# Altium PCB 便携T12烙铁2.PcbDoc (part 2 of 2)
Units mm, origin at the board's own origin, x right, y up, seen from the top; angles counter-clockwise.
Board outline 100 x 95 mm, 2 copper layers (Top Layer, Bottom Layer); 155 components, 22 nets, 605 pads, 185 vias.
Unrouted connection lines stored in the file: 84.
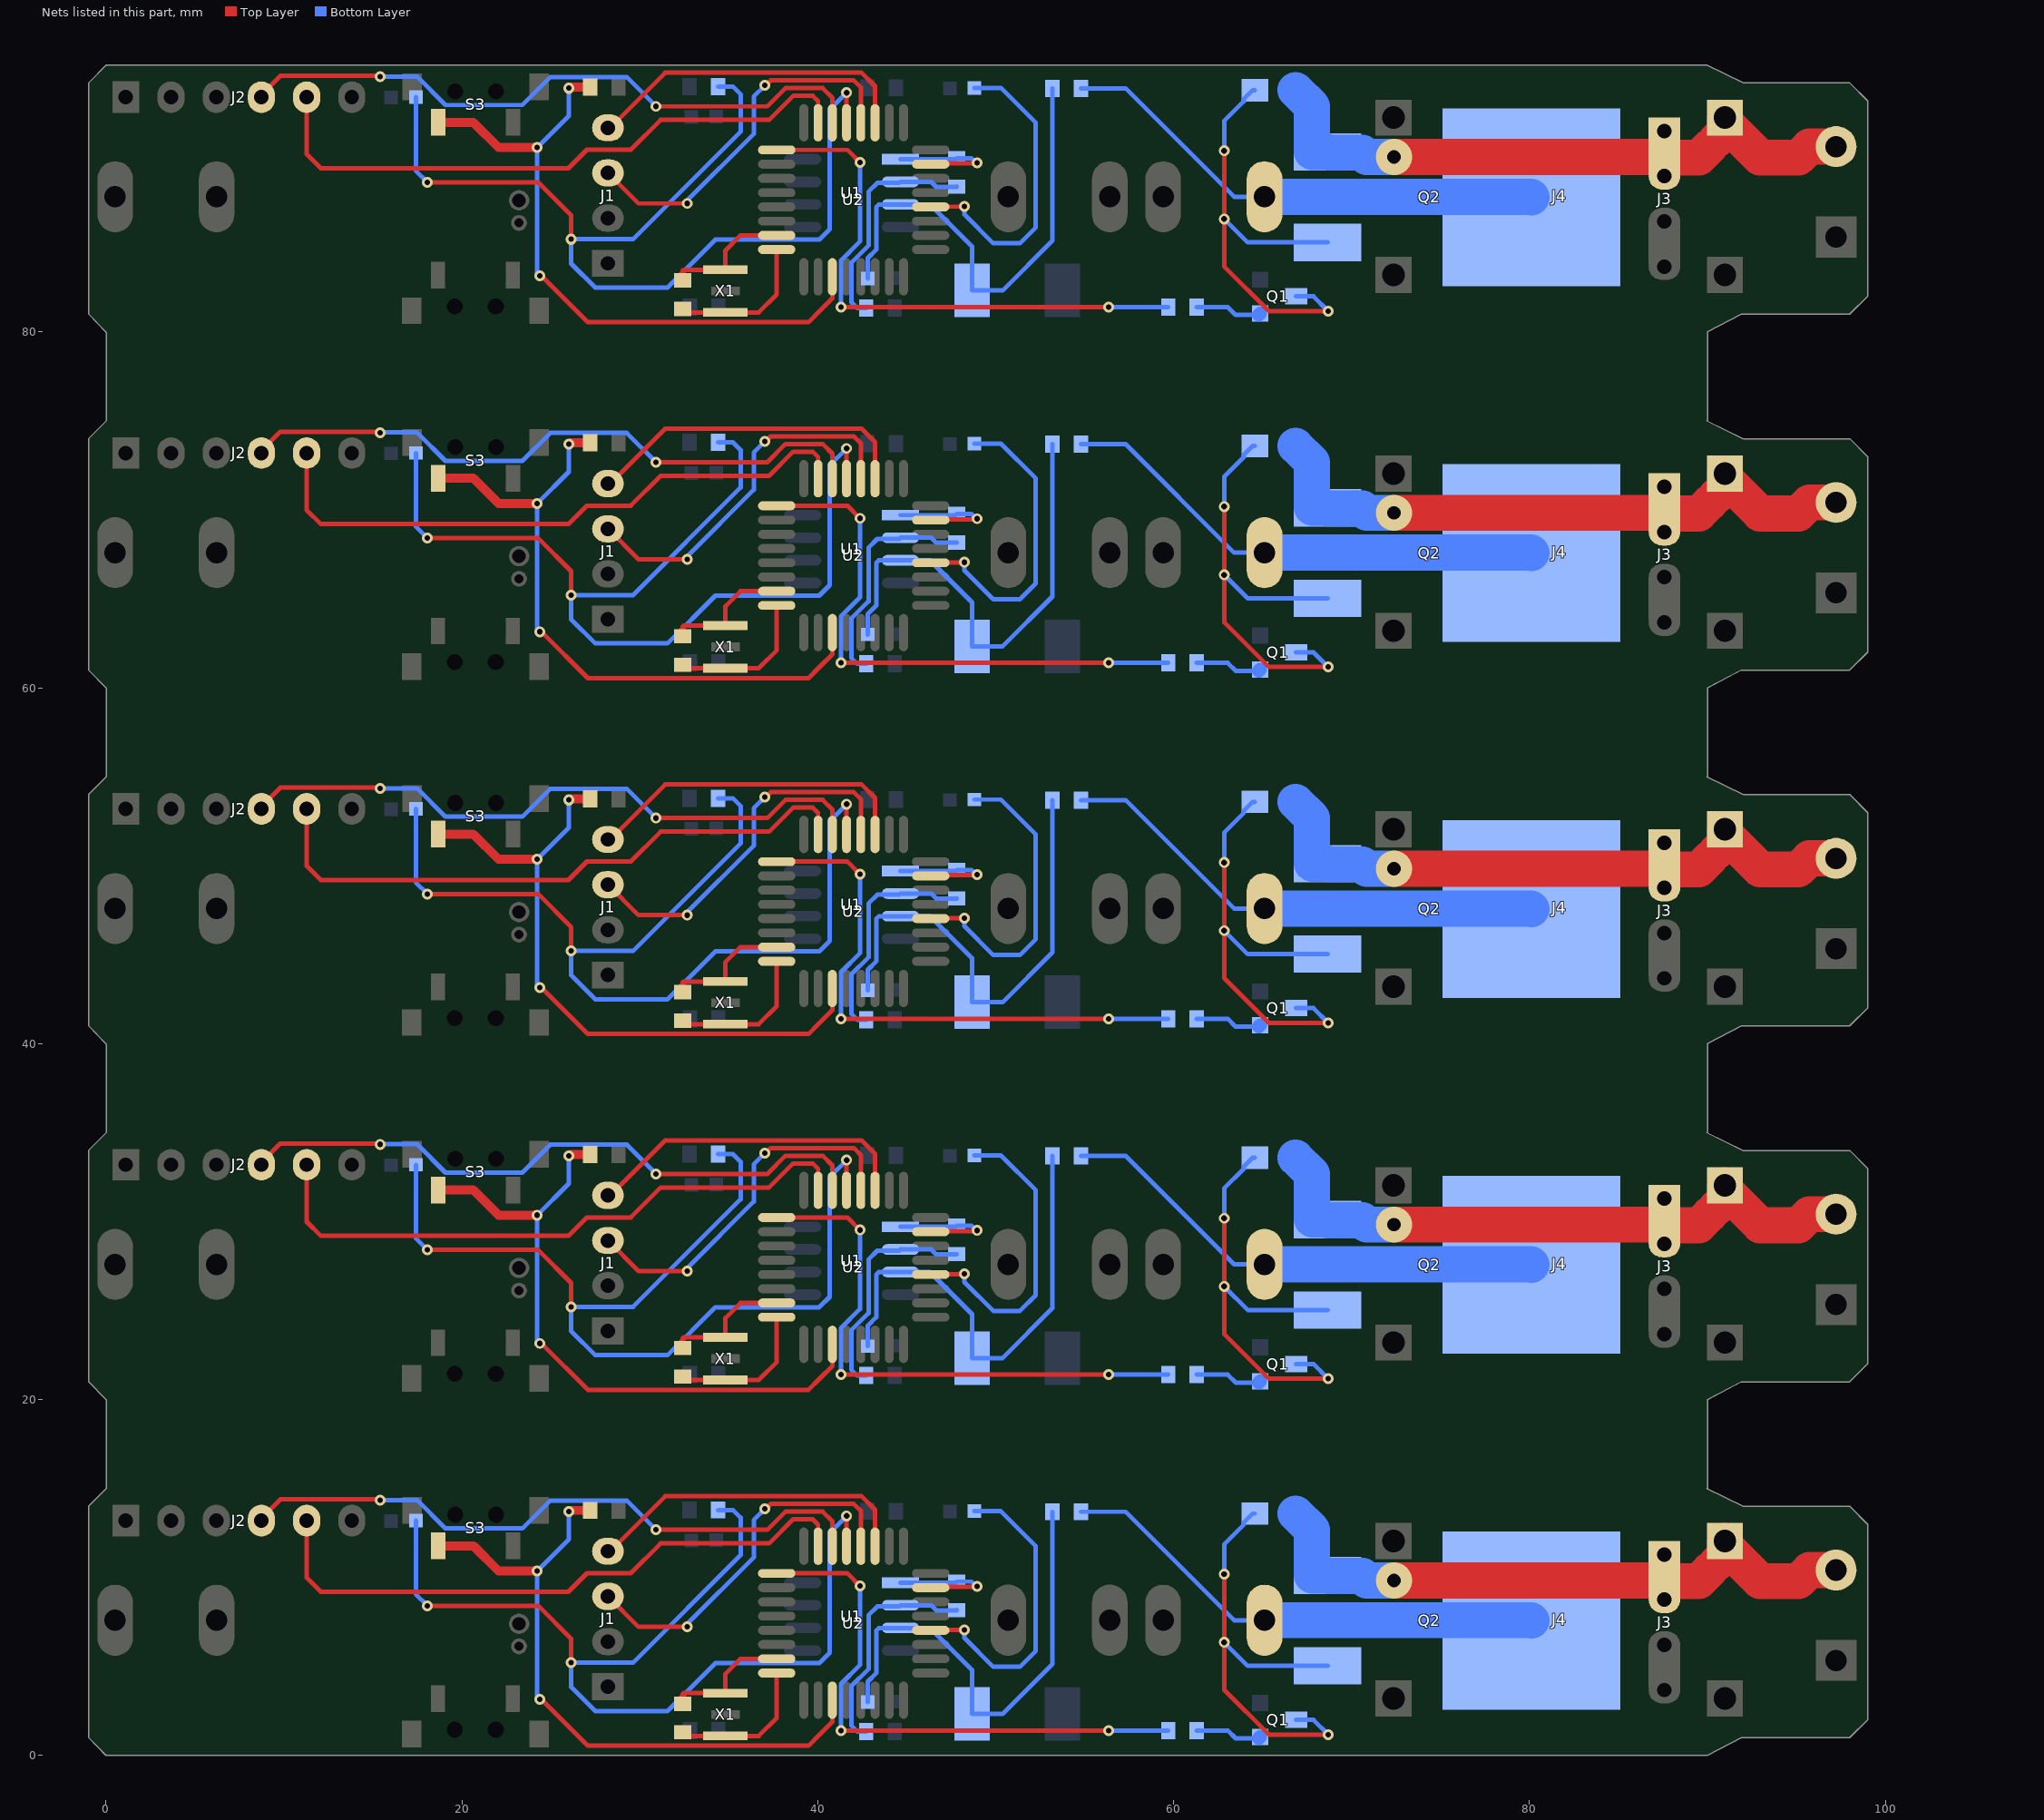
[diagram p2: the nets of this part, all layers, seen from the top]

## Via types
v1: diameter 0.61, hole 0.31, Top Layer to Bottom Layer, 120 vias
v2: diameter 0.62, hole 0.305, Top Layer to Bottom Layer, 30 vias
v3: diameter 0.61, hole 0.33, Top Layer to Bottom Layer, 20 vias
v4: diameter 0.61/0.61 (per signal layer), hole 0.33, Top Layer to Bottom Layer, 10 vias
v5: diameter 2.032/0.61 (per signal layer), hole 0.762, Top Layer to Bottom Layer, 5 vias

## Nets (pads, with @x,y where several pads share a name; then routed paths per layer and width w, separated by ;. In a path a pad name is that pad's centre, name@x,y a point inside that pad or via, vN(x,y) a via of type N, cw(c..) or ccw(c..) an arc to the next point about the centre after c; other vN are vias at no path point) (continued)
NetC3_1: C3.1 U2.20 | length 87.7
  Top Layer w0.254: U2.20@46.35,7.031 46.363,7.044 48.224,7.044 v1(48.238,7.058) ; U2.20@46.35,27.031 46.363,27.044 48.224,27.044 v1(48.238,27.058) ; U2.20@46.35,47.031 46.363,47.044 48.224,47.044 v1(48.238,47.058) ; U2.20@46.35,67.031 46.363,67.044 48.224,67.044 v1(48.238,67.058) ; U2.20@46.35,87.031 46.363,87.044 48.224,87.044 v1(48.238,87.058)
  Bottom Layer w0.254: v1(48.238,7.058) 48.246,7.05 48.246,6.604 49.867,4.982 51.365,4.982 52.254,5.871 52.254,11.764 50.296,13.722 C3.1@48.816,13.722 ; v1(48.238,27.058) 48.246,27.05 48.246,26.604 49.867,24.982 51.365,24.982 52.254,25.871 52.254,31.764 50.296,33.722 C3.1@48.816,33.722 ; v1(48.238,47.058) 48.246,47.05 48.246,46.604 49.867,44.982 51.365,44.982 52.254,45.871 52.254,51.764 50.296,53.722 C3.1@48.816,53.722 ; v1(48.238,67.058) 48.246,67.05 48.246,66.604 49.867,64.982 51.365,64.982 52.254,65.871 52.254,71.764 50.296,73.722 C3.1@48.816,73.722 ; v1(48.238,87.058) 48.246,87.05 48.246,86.604 49.867,84.982 51.365,84.982 52.254,85.871 52.254,91.764 50.296,93.722 C3.1@48.816,93.722
NetQ1_B: Q1.B R2.1 | length 18.9
  Bottom Layer w0.254: R2.1@61.297,1.401 63.049,1.401 63.493,0.958 Q1.B@64.785,0.958 ; R2.1@61.297,21.401 63.049,21.401 63.493,20.958 Q1.B@64.785,20.958 ; R2.1@61.297,41.401 63.049,41.401 63.493,40.958 Q1.B@64.785,40.958 ; R2.1@61.297,61.401 63.049,61.401 63.493,60.958 Q1.B@64.785,60.958 ; R2.1@61.297,81.401 63.049,81.401 63.493,80.958 Q1.B@64.785,80.958
  Bottom Layer w0.762: Q1.B@64.785,0.958 Q1.B@64.861,1.034 ; Q1.B@64.785,20.958 Q1.B@64.861,21.034 ; Q1.B@64.785,40.958 Q1.B@64.861,41.034 ; Q1.B@64.785,60.958 Q1.B@64.861,61.034 ; Q1.B@64.785,80.958 Q1.B@64.861,81.034
NetQ1_C: Q1.C Q2.G R3.1 | length 130.5
  Top Layer w0.254: v4(62.846,10.189) v4(62.846,6.354) 62.846,3.687 65.364,1.17 v1(68.696,1.17) ; v4(62.846,30.189) v4(62.846,26.354) 62.846,23.687 65.364,21.17 v1(68.696,21.17) ; v4(62.846,50.189) v4(62.846,46.354) 62.846,43.687 65.364,41.17 v1(68.696,41.17) ; v4(62.846,70.189) v4(62.846,66.354) 62.846,63.687 65.364,61.17 v1(68.696,61.17) ; v4(62.846,90.189) v4(62.846,86.354) 62.846,83.687 65.364,81.17 v1(68.696,81.17)
  Bottom Layer w0.254: v4(62.846,6.354) 64.167,5.033 Q2.G@68.663,5.033 ; v4(62.846,10.189) 62.846,11.866 63.938,12.958 63.938,13.085 64.446,13.593 R3.1@64.573,13.593 ; v4(62.846,26.354) 64.167,25.033 Q2.G@68.663,25.033 ; v4(62.846,30.189) 62.846,31.866 63.938,32.958 63.938,33.085 64.446,33.593 R3.1@64.573,33.593 ; v4(62.846,46.354) 64.167,45.033 Q2.G@68.663,45.033 ; v4(62.846,50.189) 62.846,51.866 63.938,52.958 63.938,53.085 64.446,53.593 R3.1@64.573,53.593 ; v4(62.846,66.354) 64.167,65.033 Q2.G@68.663,65.033 ; v4(62.846,70.189) 62.846,71.866 63.938,72.958 63.938,73.085 64.446,73.593 R3.1@64.573,73.593 ; v4(62.846,86.354) 64.167,85.033 Q2.G@68.663,85.033 ; v4(62.846,90.189) 62.846,91.866 63.938,92.958 63.938,93.085 64.446,93.593 R3.1@64.573,93.593 ; Q1.C@66.893,1.999 67.866,1.999 v1(68.696,1.17) ; Q1.C@66.893,21.999 67.866,21.999 v1(68.696,21.17) ; Q1.C@66.893,41.999 67.866,41.999 v1(68.696,41.17) ; Q1.C@66.893,61.999 67.866,61.999 v1(68.696,61.17) ; Q1.C@66.893,81.999 67.866,81.999 v1(68.696,81.17)
NetR10_1: R10.1 U2.8 X1.3 | length 41.5
  Top Layer w0.254: R10.1@32.415,1.298 32.614,1.1 X1.3@34.816,1.1 36.688,1.1 37.696,2.108 U2.8@37.696,4.631 ; R10.1@32.415,21.298 32.614,21.1 X1.3@34.816,21.1 36.688,21.1 37.696,22.108 U2.8@37.696,24.631 ; R10.1@32.415,41.298 32.614,41.1 X1.3@34.816,41.1 36.688,41.1 37.696,42.108 U2.8@37.696,44.631 ; R10.1@32.415,61.298 32.614,61.1 X1.3@34.816,61.1 36.688,61.1 37.696,62.108 U2.8@37.696,64.631 ; R10.1@32.415,81.298 32.614,81.1 X1.3@34.816,81.1 36.688,81.1 37.696,82.108 U2.8@37.696,84.631
NetR10_2: R10.2 U2.7 X1.1 | length 36.5
  Top Layer w0.254: R10.2@32.415,2.898 32.417,2.9 32.417,3.458 32.456,3.498 X1.1@34.816,3.498 34.816,4.587 35.659,5.431 U2.7@37.696,5.431 ; R10.2@32.415,22.898 32.417,22.9 32.417,23.458 32.456,23.498 X1.1@34.816,23.498 34.816,24.587 35.659,25.431 U2.7@37.696,25.431 ; R10.2@32.415,42.898 32.417,42.9 32.417,43.458 32.456,43.498 X1.1@34.816,43.498 34.816,44.587 35.659,45.431 U2.7@37.696,45.431 ; R10.2@32.415,62.898 32.417,62.9 32.417,63.458 32.456,63.498 X1.1@34.816,63.498 34.816,64.587 35.659,65.431 U2.7@37.696,65.431 ; R10.2@32.415,82.898 32.417,82.9 32.417,83.458 32.456,83.498 X1.1@34.816,83.498 34.816,84.587 35.659,85.431 U2.7@37.696,85.431
PWM_MOS: R2.2 U2.1 | length 159.6
  Top Layer w0.254: U2.1@37.696,10.231 41.672,10.231 v1(42.374,9.529) ; U2.1@37.696,30.231 41.672,30.231 v1(42.374,29.529) ; U2.1@37.696,50.231 41.672,50.231 v1(42.374,49.529) ; U2.1@37.696,70.231 41.672,70.231 v1(42.374,69.529) ; U2.1@37.696,90.231 41.672,90.231 v1(42.374,89.529) ; v1(41.307,1.401) v1(56.344,1.401) ; v1(41.307,21.401) v1(56.344,21.401) ; v1(41.307,41.401) v1(56.344,41.401) ; v1(41.307,61.401) v1(56.344,61.401) ; v1(41.307,81.401) v1(56.344,81.401)
  Bottom Layer w0.254: v1(41.307,1.401) 41.307,4.017 42.374,5.084 v1(42.374,9.529) ; v1(41.307,21.401) 41.307,24.017 42.374,25.084 v1(42.374,29.529) ; v1(41.307,41.401) 41.307,44.017 42.374,45.084 v1(42.374,49.529) ; v1(41.307,61.401) 41.307,64.017 42.374,65.084 v1(42.374,69.529) ; v1(41.307,81.401) 41.307,84.017 42.374,85.084 v1(42.374,89.529) ; v1(56.344,1.401) R2.2@59.697,1.401 ; v1(56.344,21.401) R2.2@59.697,21.401 ; v1(56.344,41.401) R2.2@59.697,41.401 ; v1(56.344,61.401) R2.2@59.697,61.401 ; v1(56.344,81.401) R2.2@59.697,81.401
R_but: R8.2 S3.2 U2.11 | length 190
  Top Layer w0.254: v1(24.391,3.154) 24.477,3.154 27.085,0.546 39.482,0.546 40.112,1.176 40.823,1.887 U2.11@40.823,3.104 ; v1(24.391,23.154) 24.477,23.154 27.085,20.546 39.482,20.546 40.112,21.176 40.823,21.887 U2.11@40.823,23.104 ; v1(24.391,43.154) 24.477,43.154 27.085,40.546 39.482,40.546 40.112,41.176 40.823,41.887 U2.11@40.823,43.104 ; v1(24.391,63.154) 24.477,63.154 27.085,60.546 39.482,60.546 40.112,61.176 40.823,61.887 U2.11@40.823,63.104 ; v1(24.391,83.154) 24.477,83.154 27.085,80.546 39.482,80.546 40.112,81.176 40.823,81.887 U2.11@40.823,83.104
  Top Layer w0.508: S3.2@18.674,11.779 20.643,11.779 22.054,10.367 v1(24.238,10.367) ; S3.2@18.674,31.779 20.643,31.779 22.054,30.367 v1(24.238,30.367) ; S3.2@18.674,51.779 20.643,51.779 22.054,50.367 v1(24.238,50.367) ; S3.2@18.674,71.779 20.643,71.779 22.054,70.367 v1(24.238,70.367) ; S3.2@18.674,91.779 20.643,91.779 22.054,90.367 v1(24.238,90.367) ; v2(26.016,13.699) 26.046,13.699 26.118,13.771 R8.2@27.21,13.771 ; v2(26.016,33.699) 26.046,33.699 26.118,33.771 R8.2@27.21,33.771 ; v2(26.016,53.699) 26.046,53.699 26.118,53.771 R8.2@27.21,53.771 ; v2(26.016,73.699) 26.046,73.699 26.118,73.771 R8.2@27.21,73.771 ; v2(26.016,93.699) 26.046,93.699 26.118,93.771 R8.2@27.21,93.771
  Bottom Layer w0.254: v1(24.391,3.154) 24.238,3.306 v1(24.238,10.367) 26.016,12.145 v2(26.016,13.699) ; v1(24.391,23.154) 24.238,23.306 v1(24.238,30.367) 26.016,32.145 v2(26.016,33.699) ; v1(24.391,43.154) 24.238,43.306 v1(24.238,50.367) 26.016,52.145 v2(26.016,53.699) ; v1(24.391,63.154) 24.238,63.306 v1(24.238,70.367) 26.016,72.145 v2(26.016,73.699) ; v1(24.391,83.154) 24.238,83.306 v1(24.238,90.367) 26.016,92.145 v2(26.016,93.699)
Reset: C2.2 R9.1 U2.29 | length 292.4
  Top Layer w0.254: v2(18.066,8.411) 24.289,8.411 26.143,6.557 v2(26.143,5.211) ; v2(18.066,28.411) 24.289,28.411 26.143,26.557 v2(26.143,25.211) ; v2(18.066,48.411) 24.289,48.411 26.143,46.557 v2(26.143,45.211) ; v2(18.066,68.411) 24.289,68.411 26.143,66.557 v2(26.143,65.211) ; v2(18.066,88.411) 24.289,88.411 26.143,86.557 v2(26.143,85.211) ; U2.29@41.576,11.805 U2.29@41.623,11.758 v3(41.623,13.455) ; U2.29@41.576,31.805 U2.29@41.623,31.758 v3(41.623,33.455) ; U2.29@41.576,51.805 U2.29@41.623,51.758 v3(41.623,53.455) ; U2.29@41.576,71.805 U2.29@41.623,71.758 v3(41.623,73.455) ; U2.29@41.576,91.805 U2.29@41.623,91.758 v3(41.623,93.455)
  Bottom Layer w0.254: C2.2@17.414,13.199 17.414,9.063 v2(18.066,8.411) ; C2.2@17.414,33.199 17.414,29.063 v2(18.066,28.411) ; C2.2@17.414,53.199 17.414,49.063 v2(18.066,48.411) ; C2.2@17.414,73.199 17.414,69.063 v2(18.066,68.411) ; C2.2@17.414,93.199 17.414,89.063 v2(18.066,88.411) ; R9.1@34.398,13.796 35.236,13.796 35.668,13.365 35.668,11.256 29.623,5.211 v2(26.143,5.211) 26.143,3.847 27.497,2.493 31.553,2.493 34.246,5.186 40.088,5.186 40.672,5.77 40.672,12.505 v3(41.623,13.455) ; R9.1@34.398,33.796 35.236,33.796 35.668,33.365 35.668,31.256 29.623,25.211 v2(26.143,25.211) 26.143,23.847 27.497,22.493 31.553,22.493 34.246,25.186 40.088,25.186 40.672,25.77 40.672,32.505 v3(41.623,33.455) ; R9.1@34.398,53.796 35.236,53.796 35.668,53.365 35.668,51.256 29.623,45.211 v2(26.143,45.211) 26.143,43.847 27.497,42.493 31.553,42.493 34.246,45.186 40.088,45.186 40.672,45.77 40.672,52.505 v3(41.623,53.455) ; R9.1@34.398,73.796 35.236,73.796 35.668,73.365 35.668,71.256 29.623,65.211 v2(26.143,65.211) 26.143,63.847 27.497,62.493 31.553,62.493 34.246,65.186 40.088,65.186 40.672,65.77 40.672,72.505 v3(41.623,73.455) ; R9.1@34.398,93.796 35.236,93.796 35.668,93.364 35.668,91.256 29.623,85.211 v2(26.143,85.211) 26.143,83.847 27.497,82.493 31.553,82.493 34.246,85.186 40.088,85.186 40.672,85.77 40.672,92.505 v3(41.623,93.455)
RX: J2.4 U2.30 | length 183.7
  Top Layer w0.254: J2.4@8.735,13.198 8.735,13.325 9.802,14.392 15.369,14.392 v1(15.416,14.345) ; J2.4@8.735,33.198 8.735,33.325 9.802,34.392 15.369,34.392 v1(15.416,34.345) ; J2.4@8.735,53.198 8.735,53.325 9.802,54.392 15.369,54.392 v1(15.416,54.345) ; J2.4@8.735,73.198 8.735,73.325 9.802,74.392 15.369,74.392 v1(15.416,74.345) ; J2.4@8.735,93.198 8.735,93.325 9.802,94.392 15.369,94.392 v1(15.416,94.345) ; v1(30.918,12.679) 37.167,12.679 38.191,13.703 40.282,13.703 40.823,13.163 U2.30@40.823,11.758 ; v1(30.918,32.679) 37.167,32.679 38.191,33.703 40.282,33.703 40.823,33.163 U2.30@40.823,31.758 ; v1(30.918,52.679) 37.167,52.679 38.191,53.703 40.282,53.703 40.823,53.163 U2.30@40.823,51.758 ; v1(30.918,72.679) 37.167,72.679 38.191,73.703 40.282,73.703 40.823,73.163 U2.30@40.823,71.758 ; v1(30.918,92.679) 37.167,92.679 38.191,93.703 40.282,93.703 40.823,93.163 U2.30@40.823,91.758
  Bottom Layer w0.254: v1(15.416,14.345) 15.426,14.355 17.482,14.355 19.082,12.755 23.4,12.755 24.975,14.33 29.267,14.33 v1(30.918,12.679) ; v1(15.416,34.345) 15.426,34.355 17.482,34.355 19.082,32.755 23.4,32.755 24.975,34.33 29.267,34.33 v1(30.918,32.679) ; v1(15.416,54.345) 15.426,54.355 17.482,54.355 19.082,52.755 23.4,52.755 24.975,54.33 29.267,54.33 v1(30.918,52.679) ; v1(15.416,74.345) 15.426,74.355 17.482,74.355 19.082,72.755 23.4,72.755 24.975,74.33 29.267,74.33 v1(30.918,72.679) ; v1(15.416,94.345) 15.426,94.355 17.482,94.355 19.082,92.755 23.4,92.755 24.975,94.33 29.267,94.33 v1(30.918,92.679)
SCL: J1.3 U2.28 | length 106.3
  Top Layer w0.254: J1.3@28.214,8.938 29.93,7.222 v1(32.671,7.222) ; J1.3@28.214,28.938 29.93,27.222 v1(32.671,27.222) ; J1.3@28.214,48.938 29.93,47.222 v1(32.671,47.222) ; J1.3@28.214,68.938 29.93,67.222 v1(32.671,67.222) ; J1.3@28.214,88.938 29.93,87.222 v1(32.671,87.222) ; v1(37.032,13.86) 37.083,13.86 37.359,14.135 42.035,14.135 42.423,13.747 U2.28@42.423,11.758 ; v1(37.032,33.86) 37.083,33.86 37.359,34.135 42.035,34.135 42.423,33.747 U2.28@42.423,31.758 ; v1(37.032,53.86) 37.083,53.86 37.359,54.135 42.035,54.135 42.423,53.747 U2.28@42.423,51.758 ; v1(37.032,73.86) 37.083,73.86 37.359,74.135 42.035,74.135 42.423,73.747 U2.28@42.423,71.758 ; v1(37.032,93.86) 37.083,93.86 37.359,94.135 42.035,94.135 42.423,93.747 U2.28@42.423,91.758
  Bottom Layer w0.254: v1(32.671,7.222) 32.671,7.394 36.405,11.128 36.405,13.232 v1(37.032,13.86) ; v1(32.671,27.222) 32.671,27.394 36.405,31.128 36.405,33.232 v1(37.032,33.86) ; v1(32.671,47.222) 32.671,47.394 36.405,51.128 36.405,53.232 v1(37.032,53.86) ; v1(32.671,67.222) 32.671,67.394 36.405,71.128 36.405,73.232 v1(37.032,73.86) ; v1(32.671,87.222) 32.671,87.394 36.405,91.128 36.405,93.232 v1(37.032,93.86)
SDA: J1.4 U2.27 | length 93.3
  Top Layer w0.254: J1.4@28.214,11.478 28.341,11.478 31.43,14.567 42.467,14.567 43.223,13.811 U2.27@43.223,11.758 ; J1.4@28.214,31.478 28.341,31.478 31.43,34.567 42.467,34.567 43.223,33.811 U2.27@43.223,31.758 ; J1.4@28.214,51.478 28.341,51.478 31.43,54.567 42.467,54.567 43.223,53.811 U2.27@43.223,51.758 ; J1.4@28.214,71.478 28.341,71.478 31.43,74.567 42.467,74.567 43.223,73.811 U2.27@43.223,71.758 ; J1.4@28.214,91.478 28.341,91.478 31.43,94.567 42.467,94.567 43.223,93.811 U2.27@43.223,91.758
TEMP: R5.1 U1.1 U2.23 | length 35.3
  Top Layer w0.254: U2.23@46.35,9.431 46.386,9.467 48.916,9.467 v1(48.952,9.503) ; U2.23@46.35,29.431 46.386,29.467 48.916,29.467 v1(48.952,29.503) ; U2.23@46.35,49.431 46.386,49.467 48.916,49.467 v1(48.952,49.503) ; U2.23@46.35,69.431 46.386,69.467 48.916,69.467 v1(48.952,69.503) ; U2.23@46.35,89.431 46.386,89.467 48.916,89.467 v1(48.952,89.503)
  Bottom Layer w0.254: U1.1@44.655,9.707 47.755,9.707 R5.1@47.817,9.769 48.639,9.769 48.904,9.503 v1(48.952,9.503) ; U1.1@44.655,29.707 47.755,29.707 R5.1@47.817,29.769 48.639,29.769 48.904,29.503 v1(48.952,29.503) ; U1.1@44.655,49.707 47.755,49.707 R5.1@47.817,49.769 48.639,49.769 48.904,49.503 v1(48.952,49.503) ; U1.1@44.655,69.707 47.755,69.707 R5.1@47.817,69.769 48.639,69.769 48.904,69.503 v1(48.952,69.503) ; U1.1@44.655,89.707 47.755,89.707 R5.1@47.817,89.769 48.639,89.769 48.904,89.503 v1(48.952,89.503)
TEMP_sense: P2.1 Q2.D R1.1 | length 139.3
  Bottom Layer w0.254: R1.1@54.794,13.695 57.307,13.695 63.403,7.599 P2.1@65.114,7.599 ; R1.1@54.794,33.695 57.307,33.695 63.403,27.599 P2.1@65.114,27.599 ; R1.1@54.794,53.695 57.307,53.695 63.403,47.599 P2.1@65.114,47.599 ; R1.1@54.794,73.695 57.307,73.695 63.403,67.599 P2.1@65.114,67.599 ; R1.1@54.794,93.695 57.307,93.695 63.403,87.599 P2.1@65.114,87.599
  Bottom Layer w2.032: P2.1@65.114,7.599 80.087,7.599 Q2.D@80.113,7.573 ; P2.1@65.114,27.599 80.087,27.599 Q2.D@80.113,27.573 ; P2.1@65.114,47.599 80.087,47.599 Q2.D@80.113,47.573 ; P2.1@65.114,67.599 80.087,67.599 Q2.D@80.113,67.573 ; P2.1@65.114,87.599 80.087,87.599 Q2.D@80.113,87.573
TX: J2.5 U2.31 | length 176.5
  Top Layer w0.254: J2.5@11.275,13.198 11.275,9.995 12.072,9.199 25.991,9.199 27.032,10.24 29.496,10.24 31.172,11.917 37.268,11.917 38.623,13.271 39.724,13.271 40.023,12.972 U2.31@40.023,11.758 ; J2.5@11.275,33.198 11.275,29.995 12.072,29.199 25.991,29.199 27.032,30.24 29.496,30.24 31.172,31.917 37.268,31.917 38.623,33.272 39.724,33.272 40.023,32.972 U2.31@40.023,31.758 ; J2.5@11.275,53.198 11.275,49.995 12.072,49.199 25.991,49.199 27.032,50.24 29.496,50.24 31.172,51.917 37.268,51.917 38.623,53.271 39.724,53.271 40.023,52.972 U2.31@40.023,51.758 ; J2.5@11.275,73.198 11.275,69.995 12.072,69.199 25.991,69.199 27.032,70.24 29.496,70.24 31.172,71.917 37.268,71.917 38.623,73.272 39.724,73.272 40.023,72.972 U2.31@40.023,71.758 ; J2.5@11.275,93.198 11.275,89.995 12.072,89.199 25.991,89.199 27.032,90.24 29.496,90.24 31.172,91.917 37.268,91.917 38.623,93.271 39.724,93.271 40.023,92.972 U2.31@40.023,91.758
V+: C1.2 R1.2 SS1.K U1.3 | length 136.8
  Bottom Layer w0.254: C1.2@42.813,3.001 42.813,4.15 43.288,4.625 43.288,7.018 43.437,7.167 U1.3@44.655,7.167 46.311,7.167 48.677,4.801 SS1.K@48.677,2.333 50.392,2.333 53.194,5.135 R1.2@53.194,13.695 ; C1.2@42.813,23.001 42.813,24.15 43.288,24.625 43.288,27.018 43.437,27.167 U1.3@44.655,27.167 46.311,27.167 48.677,24.801 SS1.K@48.677,22.333 50.392,22.333 53.194,25.135 R1.2@53.194,33.695 ; C1.2@42.813,43.001 42.813,44.15 43.288,44.625 43.288,47.018 43.437,47.167 U1.3@44.655,47.167 46.311,47.167 48.677,44.801 SS1.K@48.677,42.333 50.392,42.333 53.194,45.135 R1.2@53.194,53.695 ; C1.2@42.813,63.001 42.813,64.15 43.288,64.625 43.288,67.018 43.437,67.167 U1.3@44.655,67.167 46.311,67.167 48.677,64.801 SS1.K@48.677,62.333 50.392,62.333 53.194,65.135 R1.2@53.194,73.695 ; C1.2@42.813,83.001 42.813,84.15 43.288,84.625 43.288,87.018 43.437,87.167 U1.3@44.655,87.167 46.311,87.167 48.677,84.801 SS1.K@48.677,82.333 50.392,82.333 53.194,85.135 R1.2@53.194,93.695
V-: R4.1 R5.2 U1.2 | length 64.4
  Bottom Layer w0.254: R4.1@42.73,1.35 42.221,1.35 41.891,1.68 41.891,3.89 42.856,4.855 42.856,7.878 43.349,8.371 44.589,8.371 U1.2@44.655,8.437 46.387,8.437 46.666,8.157 47.806,8.157 R5.2@47.817,8.169 ; R4.1@42.73,21.35 42.221,21.35 41.891,21.68 41.891,23.89 42.856,24.855 42.856,27.878 43.349,28.371 44.589,28.371 U1.2@44.655,28.437 46.387,28.437 46.666,28.157 47.806,28.157 R5.2@47.817,28.169 ; R4.1@42.73,41.35 42.221,41.35 41.891,41.68 41.891,43.89 42.856,44.855 42.856,47.878 43.349,48.371 44.589,48.371 U1.2@44.655,48.437 46.387,48.437 46.666,48.157 47.806,48.157 R5.2@47.817,48.169 ; R4.1@42.73,61.35 42.221,61.35 41.891,61.68 41.891,63.89 42.856,64.855 42.856,67.878 43.349,68.371 44.589,68.371 U1.2@44.655,68.437 46.387,68.437 46.666,68.157 47.806,68.157 R5.2@47.817,68.169 ; R4.1@42.73,81.35 42.221,81.35 41.891,81.68 41.891,83.89 42.856,84.855 42.856,87.878 43.349,88.371 44.589,88.371 U1.2@44.655,88.437 46.387,88.437 46.666,88.157 47.806,88.157 R5.2@47.817,88.169
VCC: J3.1 J4.IN+ J5.2 Q2.S R3.2 | length 176.8
  Top Layer w2.032: v5(72.397,9.834) 87.554,9.834 J3.1@87.59,9.798 89.52,9.798 90.133,10.411 ; v5(72.397,29.834) 87.554,29.834 J3.1@87.59,29.798 89.52,29.798 90.133,30.411 ; v5(72.397,49.834) 87.554,49.834 J3.1@87.59,49.798 89.52,49.798 90.133,50.411 ; v5(72.397,69.834) 87.554,69.834 J3.1@87.59,69.798 89.52,69.798 90.133,70.411 ; v5(72.397,89.834) 87.554,89.834 J3.1@87.59,89.798 89.52,89.798 90.133,90.411 ; 90.514,10.792 90.989,11.268 J4.IN+@90.989,11.779 ; 90.514,30.792 90.989,31.268 J4.IN+@90.989,31.779 ; 90.514,50.792 90.989,51.268 J4.IN+@90.989,51.779 ; 90.514,70.792 90.989,71.268 J4.IN+@90.989,71.779 ; 90.514,90.792 90.989,91.268 J4.IN+@90.989,91.779 ; J4.IN+@90.989,12.044 J4.IN+@90.989,11.779 ; J4.IN+@90.989,32.044 J4.IN+@90.989,31.779 ; J4.IN+@90.989,52.044 J4.IN+@90.989,51.779 ; J4.IN+@90.989,72.044 J4.IN+@90.989,71.779 ; J4.IN+@90.989,92.044 J4.IN+@90.989,91.779 ; J5.2@97.238,10.418 95.739,10.418 95.119,9.798 92.971,9.798 J4.IN+@90.989,11.779 ; J5.2@97.238,30.418 95.739,30.418 95.119,29.798 92.971,29.798 J4.IN+@90.989,31.779 ; J5.2@97.238,50.418 95.739,50.418 95.119,49.798 92.971,49.798 J4.IN+@90.989,51.779 ; J5.2@97.238,70.418 95.739,70.418 95.119,69.798 92.971,69.798 J4.IN+@90.989,71.779 ; J5.2@97.238,90.418 95.739,90.418 95.119,89.798 92.971,89.798 J4.IN+@90.989,91.779
  Bottom Layer w2.032: R3.2@66.859,13.593 67.779,12.674 67.779,10.147 67.813,10.113 Q2.S@68.663,10.113 68.697,10.079 70.615,10.079 70.861,9.834 v5(72.397,9.834) ; R3.2@66.859,33.593 67.779,32.674 67.779,30.147 67.813,30.113 Q2.S@68.663,30.113 68.697,30.079 70.615,30.079 70.861,29.834 v5(72.397,29.834) ; R3.2@66.859,53.593 67.779,52.674 67.779,50.147 67.813,50.113 Q2.S@68.663,50.113 68.697,50.079 70.615,50.079 70.861,49.834 v5(72.397,49.834) ; R3.2@66.859,73.593 67.779,72.674 67.779,70.147 67.813,70.113 Q2.S@68.663,70.113 68.697,70.079 70.615,70.079 70.861,69.834 v5(72.397,69.834) ; R3.2@66.859,93.593 67.779,92.674 67.779,90.147 67.813,90.113 Q2.S@68.663,90.113 68.697,90.079 70.615,90.079 70.861,89.834 v5(72.397,89.834)
pads on no net: J2.2 P1.1 P1.2 P2.2 P3.2 S2.0 S3.0 U1.5 U1.6 U1.7 U2.9 U2.10 U2.12 U2.13 U2.14 U2.15 U2.16 U2.17 U2.19 U2.22 U2.25 U2.26 U2.32

## Polygon pours and split planes (outlines as drawn)
GND on Bottom Layer "GND_L02_P000" (solid, remove dead copper, pour order 0): -8.763,101.727 -4.953,97.917 103.124,97.917 103.124,0.254 98.933,-3.937 98.298,-3.302 -6.223,-3.302
GND on Top Layer "GND_L01_P001" (solid, remove dead copper, pour order 1): -12.7,106.299 106.299,106.299 109.601,102.997 104.648,98.044 104.648,-10.922 -2.921,-10.922 -12.446,-1.397

## Keep-outs
Keep-Out Layer:
  lines w0.254: 0,20 -0.986,21.008 -0.986,33.998 0.015,34.999 0.015,39.985 ; 0,40 -0.986,41.008 -0.986,53.998 0.015,54.999 0.015,59.985 ; 0,60 -0.986,61.008 -0.986,73.998 0.015,74.999 0.015,79.985 ; 0,80 -0.986,81.008 -0.986,93.998 0.015,94.999 89.98,94.999 92.014,93.998 98.008,93.998 99.014,92.984 99.014,82.012 98.003,80.998 91.915,80.998 90.013,80 90.013,75.032 ; 0.015,19.985 0.015,14.999 -0.986,13.998 -0.986,1.008 0,0 90.013,0 91.915,0.998 98.003,0.998 99.014,2.012 99.014,12.984 98.008,13.998 92.014,13.998 89.98,14.999 ; 5,14.999 5,19.999 54.75,19.999 ; 5,34.999 5,39.999 54.75,39.999 ; 5,54.999 5,59.999 54.75,59.999 ; 5,74.999 5,79.999 54.75,79.999 ; 5.015,14.999 54.765,14.999 54.765,19.999 ; 5.015,34.999 54.765,34.999 54.765,39.999 ; 5.015,54.999 54.765,54.999 54.765,59.999 ; 5.015,74.999 54.765,74.999 54.765,79.999 ; 89.98,34.999 92.014,33.998 98.008,33.998 99.014,32.984 99.014,22.012 98.003,20.998 91.915,20.998 90.013,20 90.013,15.032 ; 89.98,54.999 92.014,53.998 98.008,53.998 99.014,52.984 99.014,42.012 98.003,40.998 91.915,40.998 90.013,40 90.013,35.032 ; 89.98,74.999 92.014,73.998 98.008,73.998 99.014,72.984 99.014,62.012 98.003,60.998 91.915,60.998 90.013,60 90.013,55.032 ; 59.765,14.999 84.979,14.999 84.979,19.999 59.765,19.999 59.765,14.999 ; 59.765,34.999 59.765,39.999 84.979,39.999 84.979,34.999 59.765,34.999 ; 59.765,54.999 59.765,59.999 84.979,59.999 84.979,54.999 59.765,54.999 ; 59.765,74.999 59.765,79.999 84.979,79.999 84.979,74.999 59.765,74.999

## Silkscreen, mask and mechanical layers (free items; w line width, h text height)
Top Overlay:
  text "2K" at 29.775,93.212 h1.27
  text "24V" at 93.479,91.383 h2.54
  text "5V" at 67.85,91.231 h2.54
  text "GND" at 0.032,90.935 h1.27
  text "5V" at 5.569,90.94 h1.27
  text "RX" at 8.16,90.932 h1.27
  text "TX" at 10.649,90.932 h1.27
  text "DTR" at 12.808,90.932 h1.27
  text "SDA" at 29.748,90.819 h1.27
  text "SCL" at 29.648,88.149 h1.27
  text "T-" at 52.762,86.887 h2.54
  text "T+" at 60.992,86.735 h2.54
  text "5V" at 29.721,86.011 h1.27
  text "Vibrate" at 8.367,85.371 h1.27
  text "16M" at 33.357,84.982 h1.27
  text "GND" at 29.62,83.623 h1.27
  text "I2C" at 26.603,82.59 h1.27 r90
  text "GND" at 93.377,82.315 h2.54
  text "GND" at 65.589,82.29 h2.54
  text "1M" at 29.064,81.223 h1.27
  text "2K" at 29.775,73.212 h1.27
  text "24V" at 93.479,71.383 h2.54
  text "5V" at 67.85,71.231 h2.54
  text "GND" at 0.032,70.935 h1.27
  text "5V" at 5.569,70.94 h1.27
  text "RX" at 8.16,70.932 h1.27
  text "TX" at 10.649,70.932 h1.27
  text "DTR" at 12.808,70.932 h1.27
  text "SDA" at 29.748,70.819 h1.27
  text "SCL" at 29.648,68.149 h1.27
  text "T-" at 52.762,66.887 h2.54
  text "T+" at 60.992,66.735 h2.54
  text "5V" at 29.721,66.011 h1.27
  text "Vibrate" at 8.367,65.371 h1.27
  text "16M" at 33.357,64.982 h1.27
  text "GND" at 29.62,63.623 h1.27
  text "I2C" at 26.603,62.59 h1.27 r90
  text "GND" at 93.377,62.315 h2.54
  text "GND" at 65.589,62.29 h2.54
  text "1M" at 29.064,61.223 h1.27
  text "2K" at 29.775,53.212 h1.27
  text "24V" at 93.479,51.383 h2.54
  text "5V" at 67.85,51.231 h2.54
  text "5V" at 5.569,50.94 h1.27
  text "GND" at 0.032,50.935 h1.27
  text "RX" at 8.16,50.932 h1.27
  text "TX" at 10.649,50.932 h1.27
  text "DTR" at 12.808,50.932 h1.27
  text "SDA" at 29.748,50.819 h1.27
  text "SCL" at 29.648,48.149 h1.27
  text "T-" at 52.762,46.887 h2.54
  text "T+" at 60.992,46.735 h2.54
  text "5V" at 29.721,46.011 h1.27
  text "Vibrate" at 8.367,45.371 h1.27
  text "16M" at 33.357,44.982 h1.27
  text "GND" at 29.62,43.623 h1.27
  text "I2C" at 26.603,42.59 h1.27 r90
  text "GND" at 93.377,42.315 h2.54
  text "GND" at 65.589,42.29 h2.54
  text "1M" at 29.064,41.223 h1.27
  text "2K" at 29.775,33.212 h1.27
  text "24V" at 93.479,31.383 h2.54
  text "5V" at 67.85,31.231 h2.54
  text "GND" at 0.032,30.935 h1.27
  text "5V" at 5.569,30.94 h1.27
  text "RX" at 8.16,30.932 h1.27
  text "TX" at 10.649,30.932 h1.27
  text "DTR" at 12.808,30.932 h1.27
  text "SDA" at 29.748,30.819 h1.27
  text "SCL" at 29.648,28.149 h1.27
  text "T-" at 52.762,26.887 h2.54
  text "T+" at 60.992,26.735 h2.54
  text "5V" at 29.721,26.011 h1.27
  text "Vibrate" at 8.367,25.371 h1.27
  text "16M" at 33.357,24.982 h1.27
  text "GND" at 29.62,23.623 h1.27
  text "I2C" at 26.603,22.59 h1.27 r90
  text "GND" at 93.377,22.315 h2.54
  text "GND" at 65.589,22.29 h2.54
  text "1M" at 29.064,21.223 h1.27
  text "2K" at 29.775,13.212 h1.27
  text "24V" at 93.479,11.383 h2.54
  text "5V" at 67.85,11.231 h2.54
  text "GND" at 0.032,10.935 h1.27
  text "5V" at 5.569,10.94 h1.27
  text "RX" at 8.16,10.932 h1.27
  text "TX" at 10.649,10.932 h1.27
  text "DTR" at 12.808,10.932 h1.27
  text "SDA" at 29.748,10.819 h1.27
  text "SCL" at 29.648,8.149 h1.27
  text "T-" at 52.762,6.887 h2.54
  text "T+" at 60.992,6.735 h2.54
  text "5V" at 29.721,6.011 h1.27
  text "Vibrate" at 8.367,5.371 h1.27
  text "16M" at 33.357,4.982 h1.27
  text "GND" at 29.62,3.623 h1.27
  text "I2C" at 26.603,2.59 h1.27 r90
  text "GND" at 93.377,2.315 h2.54
  text "GND" at 65.589,2.29 h2.54
  text "1M" at 29.064,1.223 h1.27
Bottom Overlay:
  lines w0.25: 9.114,7.6 37.015,7.6 ; 9.114,27.6 37.015,27.6 ; 9.114,47.6 37.015,47.6 ; 9.114,67.6 37.015,67.6 ; 9.114,87.6 37.015,87.6 ; 9.314,6.8 8.514,7.6 9.314,8.4 ; 9.314,26.8 8.514,27.6 9.314,28.4 ; 9.314,46.8 8.514,47.6 9.314,48.4 ; 9.314,66.8 8.514,67.6 9.314,68.4 ; 9.314,86.8 8.514,87.6 9.314,88.4
  text "10K" at 40.774,93.771 h1.27
  text "10K" at 62.922,93.466 h1.27
  text "10K" at 31.782,93.11 h1.27
  text "0.1u" at 50.426,91.84 h1.27
  text "5V" at 6.774,91.637 h1.27 r90
  text "RX" at 9.379,91.637 h1.27 r90
  text "TX" at 11.767,91.637 h1.27 r90
  text "DTR" at 14.358,91.637 h1.27 r90
  text "10K" at 55.607,91.434 h1.27
  text "LM358G" at 44.05,91.282 h1.27
  text "GND" at 2.618,90.918 h1.27
  text "200K" at 50.527,90.748 h1.27
  text "0.1u" at 17.863,90.469 h1.27
  text "TypeC快充" at 91.828,90.393 h1.27 r90
  text "0.1u" at 33.611,89.554 h1.27
  text "T-" at 54.642,86.862 h2.54
  text "T+" at 63.659,86.735 h2.54
  text "T12" at 12.417,85.926 h1.14
  text "SS12" at 48.978,84.373 h1.27
  text "2.2n" at 41.739,83.052 h1.27
  text "2SC3356" at 63.786,82.747 h1.27
  text "1K" at 58.655,81.63 h1.27
  text "2K" at 31.833,81.274 h1.27
  text "1K" at 40.748,81.122 h1.27
  text "10K" at 40.774,73.771 h1.27
  text "10K" at 62.922,73.466 h1.27
  text "10K" at 31.782,73.11 h1.27
  text "0.1u" at 50.426,71.84 h1.27
  text "5V" at 6.774,71.637 h1.27 r90
  text "RX" at 9.379,71.637 h1.27 r90
  text "TX" at 11.767,71.637 h1.27 r90
  text "DTR" at 14.358,71.637 h1.27 r90
  text "10K" at 55.607,71.434 h1.27
  text "LM358G" at 44.05,71.282 h1.27
  text "GND" at 2.618,70.918 h1.27
  text "200K" at 50.527,70.748 h1.27
  text "0.1u" at 17.863,70.469 h1.27
  text "TypeC快充" at 91.828,70.393 h1.27 r90
  text "0.1u" at 33.611,69.554 h1.27
  text "T-" at 54.642,66.862 h2.54
  text "T+" at 63.659,66.735 h2.54
  text "T12" at 12.417,65.926 h1.14
  text "SS12" at 48.978,64.373 h1.27
  text "2.2n" at 41.739,63.052 h1.27
  text "2SC3356" at 63.786,62.747 h1.27
  text "1K" at 58.655,61.63 h1.27
  text "2K" at 31.833,61.274 h1.27
  text "1K" at 40.748,61.122 h1.27
  text "10K" at 40.774,53.771 h1.27
  text "10K" at 62.922,53.466 h1.27
  text "10K" at 31.782,53.11 h1.27
  text "0.1u" at 50.426,51.84 h1.27
  text "5V" at 6.774,51.637 h1.27 r90
  text "RX" at 9.379,51.637 h1.27 r90
  text "TX" at 11.767,51.637 h1.27 r90
  text "DTR" at 14.358,51.637 h1.27 r90
  text "10K" at 55.607,51.434 h1.27
  text "LM358G" at 44.05,51.282 h1.27
  text "GND" at 2.618,50.918 h1.27
  text "200K" at 50.527,50.748 h1.27
  text "0.1u" at 17.863,50.469 h1.27
  text "TypeC快充" at 91.828,50.393 h1.27 r90
  text "0.1u" at 33.611,49.554 h1.27
  text "T-" at 54.642,46.862 h2.54
  text "T+" at 63.659,46.735 h2.54
  text "T12" at 12.417,45.926 h1.14
  text "SS12" at 48.978,44.373 h1.27
  text "2.2n" at 41.739,43.052 h1.27
  text "2SC3356" at 63.786,42.747 h1.27
  text "1K" at 58.655,41.63 h1.27
  text "2K" at 31.833,41.274 h1.27
  text "1K" at 40.748,41.122 h1.27
  text "10K" at 40.774,33.771 h1.27
  text "10K" at 62.922,33.466 h1.27
  text "10K" at 31.782,33.11 h1.27
  text "0.1u" at 50.426,31.84 h1.27
  text "5V" at 6.774,31.637 h1.27 r90
  text "RX" at 9.379,31.637 h1.27 r90
  text "TX" at 11.767,31.637 h1.27 r90
  text "DTR" at 14.358,31.637 h1.27 r90
  text "10K" at 55.607,31.434 h1.27
  text "LM358G" at 44.05,31.282 h1.27
  text "GND" at 2.618,30.918 h1.27
  text "200K" at 50.527,30.748 h1.27
  text "0.1u" at 17.863,30.469 h1.27
  text "TypeC快充" at 91.828,30.393 h1.27 r90
  text "0.1u" at 33.611,29.554 h1.27
  text "T-" at 54.642,26.862 h2.54
  text "T+" at 63.659,26.735 h2.54
  text "T12" at 12.417,25.926 h1.14
  text "SS12" at 48.978,24.373 h1.27
  text "2.2n" at 41.739,23.052 h1.27
  text "2SC3356" at 63.786,22.747 h1.27
  text "1K" at 58.655,21.63 h1.27
  text "2K" at 31.833,21.274 h1.27
  text "1K" at 40.748,21.122 h1.27
  text "10K" at 40.774,13.771 h1.27
  text "10K" at 62.922,13.466 h1.27
  text "10K" at 31.782,13.11 h1.27
  text "0.1u" at 50.426,11.84 h1.27
  text "5V" at 6.774,11.637 h1.27 r90
  text "RX" at 9.379,11.637 h1.27 r90
  text "TX" at 11.767,11.637 h1.27 r90
  text "DTR" at 14.358,11.637 h1.27 r90
  text "10K" at 55.607,11.434 h1.27
  text "LM358G" at 44.05,11.282 h1.27
  text "GND" at 2.618,10.918 h1.27
  text "200K" at 50.527,10.748 h1.27
  text "0.1u" at 17.863,10.469 h1.27
  text "TypeC快充" at 91.828,10.393 h1.27 r90
  text "0.1u" at 33.611,9.554 h1.27
  text "T-" at 54.642,6.862 h2.54
  text "T+" at 63.659,6.735 h2.54
  text "T12" at 12.417,5.926 h1.14
  text "SS12" at 48.978,4.373 h1.27
  text "2.2n" at 41.739,3.052 h1.27
  text "2SC3356" at 63.786,2.747 h1.27
  text "1K" at 58.655,1.63 h1.27
  text "2K" at 31.833,1.274 h1.27
  text "1K" at 40.748,1.122 h1.27
Mechanical 1:
  lines w0.254: 0,35.014 0,40 0,40.023 -0.986,41.008 -0.986,53.998 0.015,54.999 ; 0,55.014 0,60 0,60.023 -0.986,61.008 -0.986,73.998 0.015,74.999 ; 0,75.014 0,80.023 ; 0,80 0,80.023 ; 0.015,34.999 -0.986,33.998 -0.986,21.008 0,20.023 0,20 0.015,14.999 -0.986,13.998 -0.986,1.008 0,0.023 0,0 90.013,0 91.915,0.998 98.003,0.998 99.014,2.012 99.014,12.984 98.008,13.998 92.014,13.998 89.98,14.999 90.013,20 91.915,20.998 98.003,20.998 99.014,22.012 99.014,32.984 98.008,33.998 92.014,33.998 89.98,34.999 89.98,39.967 ; 89.98,59.967 89.98,54.999 92.014,53.998 98.008,53.998 99.014,52.984 99.014,42.012 98.003,40.998 91.915,40.998 90.013,40 ; 89.98,79.967 89.98,74.999 92.014,73.998 98.008,73.998 99.014,72.984 99.014,62.012 98.003,60.998 91.915,60.998 90.013,60 ; 90.013,80 91.915,80.998 98.003,80.998 99.014,82.012 99.014,92.984 98.008,93.998 92.014,93.998 89.98,94.999 0.015,94.999 -0.986,93.998 -0.986,81.008 0,80.023 ; 5,20 54.75,20 54.765,14.999 5.015,14.999 5,20 ; 5,40 5.015,34.999 54.765,34.999 54.75,40 5,40 ; 5,60 5.015,54.999 54.765,54.999 54.75,60 5,60 ; 5,80 5.015,74.999 54.765,74.999 54.75,80 5,80 ; 59.75,20 85.013,20 84.979,14.999 59.765,14.999 59.75,20 ; 59.75,40 59.765,34.999 84.979,34.999 85.013,40 59.75,40 ; 59.75,60 59.765,54.999 84.979,54.999 85.013,60 59.75,60 ; 59.75,80 59.765,74.999 84.979,74.999 85.013,80 59.75,80
Mechanical 15:
  lines w0.003: 47.454,4.958 47.505,5.009 ; 47.454,24.958 47.505,25.009 ; 47.454,44.958 47.505,45.009 ; 47.454,64.958 47.505,65.009 ; 47.454,84.958 47.505,85.009 ; 47.615,21.047 47.666,21.098 ; 47.615,41.047 47.666,41.098 ; 47.615,61.047 47.666,61.098 ; 47.615,81.047 47.666,81.098 ; 47.615,101.047 47.666,101.098

## Text inside footprints (layer, text, board x,y; h text height)
J3: Bottom Overlay "-" at 87.237,81.327 h2.54; Bottom Overlay "+" at 87.465,92.503 h1.52
J3: Bottom Overlay "-" at 87.237,61.327 h2.54; Bottom Overlay "+" at 87.465,72.503 h1.52
J3: Bottom Overlay "-" at 87.237,41.327 h2.54; Bottom Overlay "+" at 87.465,52.503 h1.52
J3: Bottom Overlay "-" at 87.237,21.327 h2.54; Bottom Overlay "+" at 87.465,32.503 h1.52
J3: Bottom Overlay "-" at 87.237,1.327 h2.54; Bottom Overlay "+" at 87.465,12.503 h1.52